# Allegro board trx_layout.brd (continued)
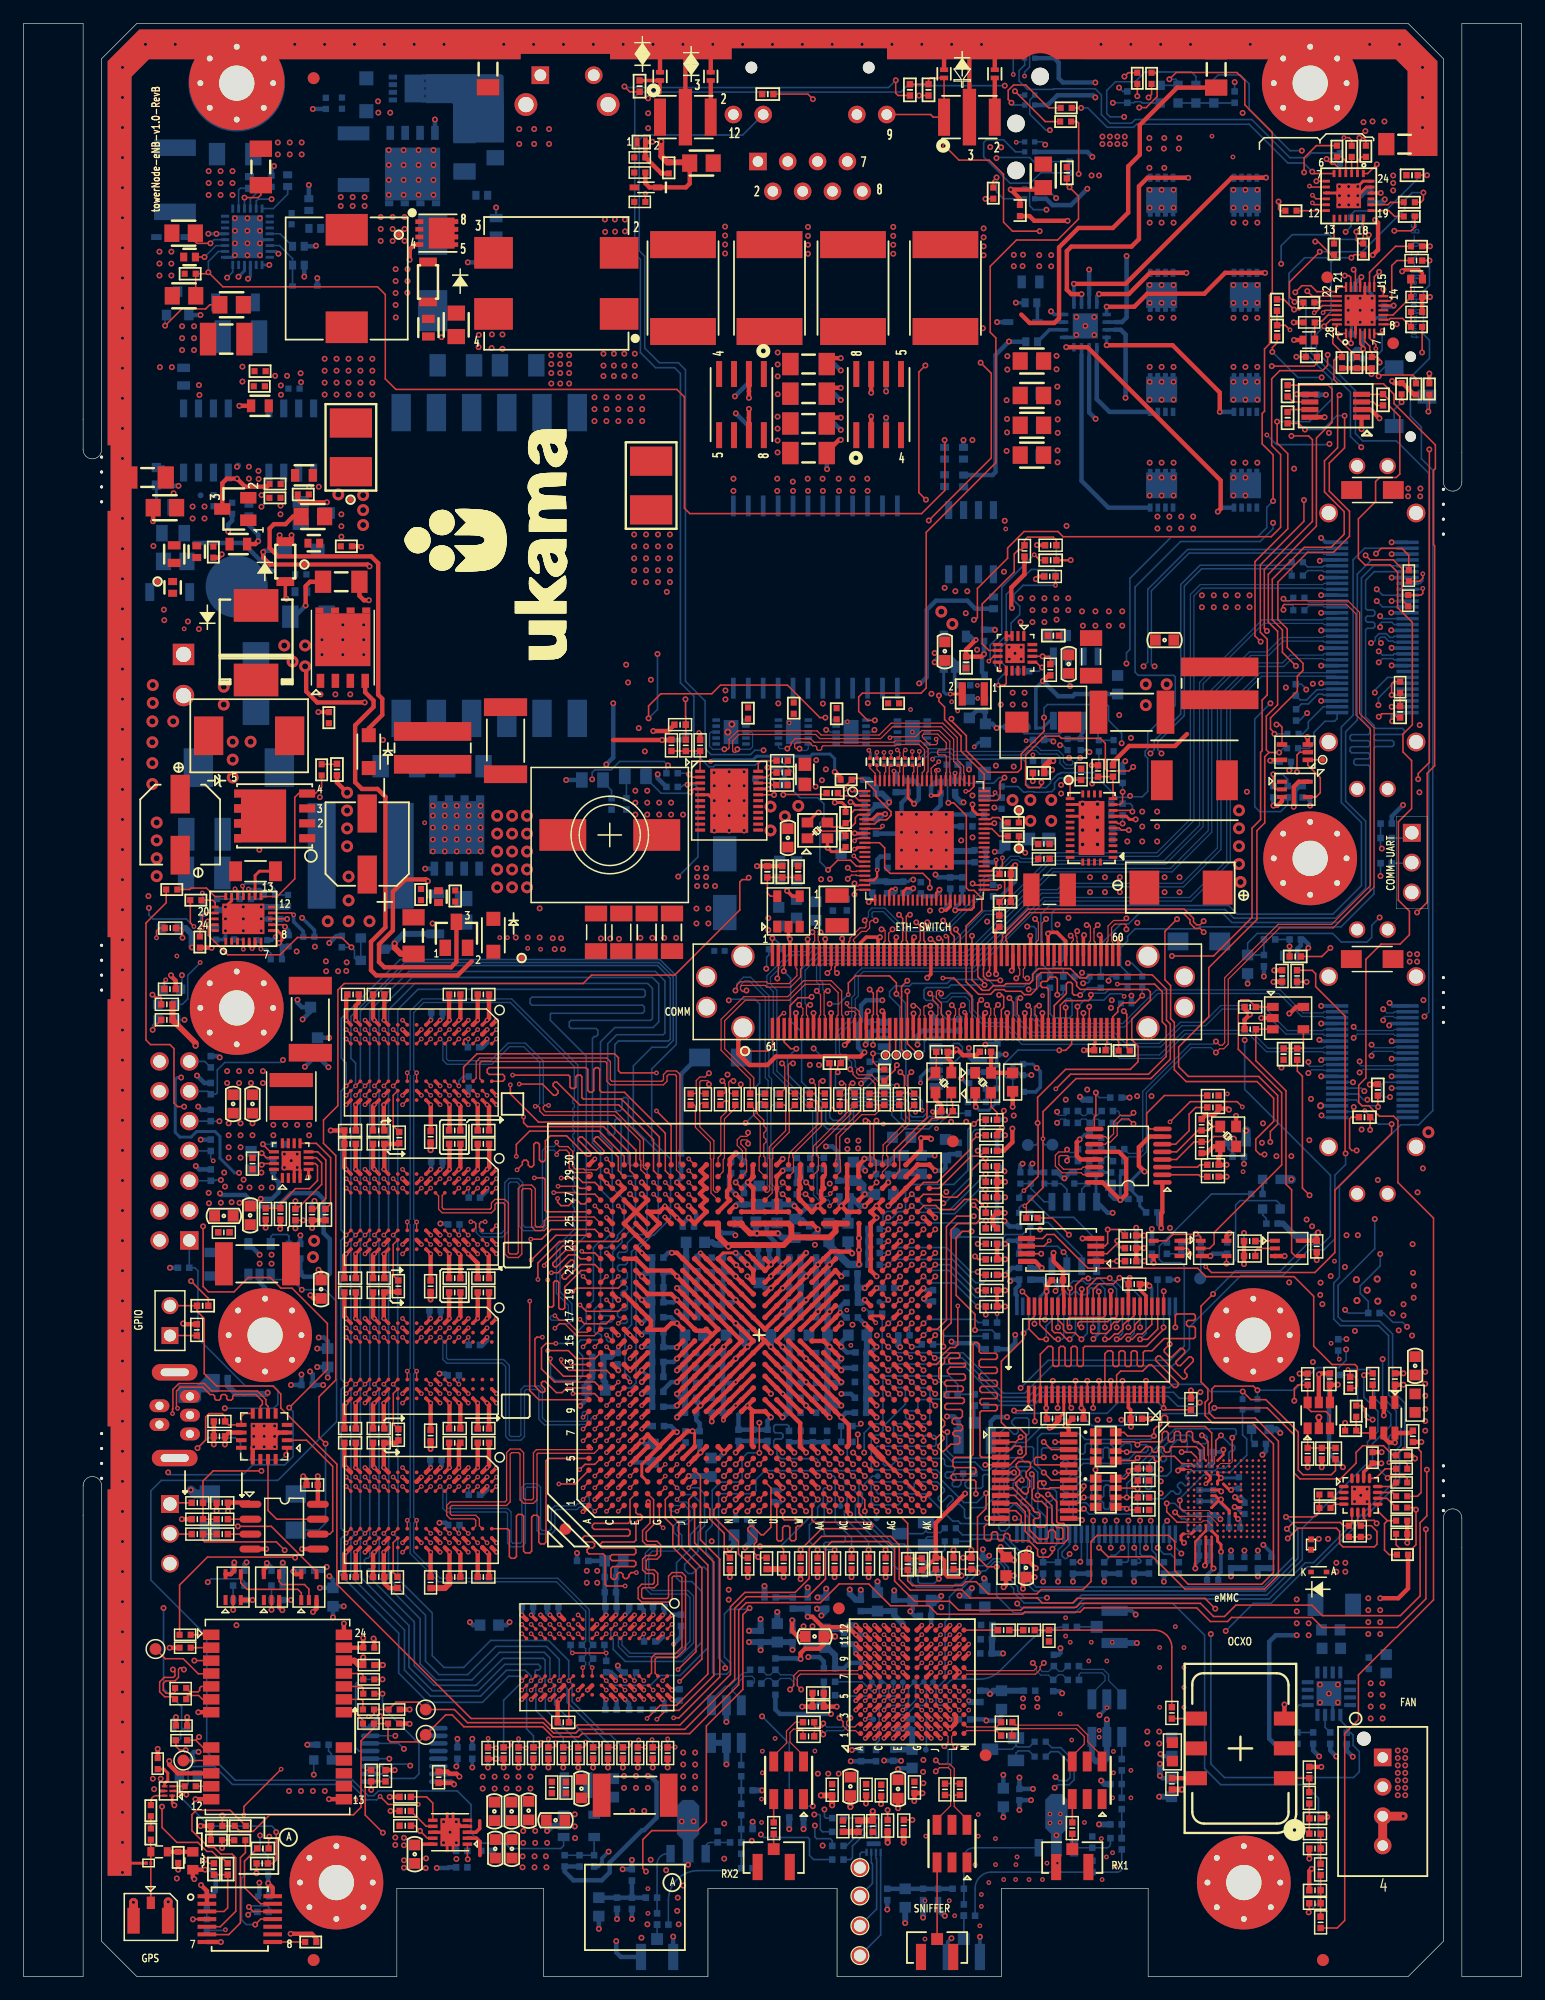
[diagram p0: board, top side]
## Routing (per net, layer and track width the routed paths; a pad name or vN(x,y) marks a point on that pad's centre or on a via; arc(x,y) is an arc through that point) (continued)
  BOTTOM w0.305: C332.1 53.38,52.33 v1(52.67,51.61) 53.22,51.06 C339.1 ; v1(52.67,53.61) 52.69,53.6 C324.1
  BOTTOM w0.381: C410.1 41.15,29.92 v1(41.4,30.18) ; R407.1 50.6,51.68 v1(50.67,51.61) ; C241.1 v1(26.04,79.93) ; v1(57.67,44.61) 57.6,44.68 C365.1 ; v1(52.67,45.61) 52.94,45.34 C367.1 ; v1(26.05,34.09) 26.06,34.09 26.37,33.78 C394.1 v1(25.25,33.1) ; C358.1 55.15,46.87 v1(55.66,46.36) ; C366.1 56.4,45.34 v2(55.67,44.61) ; v2(51.24,30.78) 51.6,31.14 C403.1 ; C408.1 55.27,30.81 v2(55.24,30.78) ; v2(52.67,54.61) 52.92,54.87 C318.1 ; C406.1 43.41,30.95 v2(43.24,30.78) ; v1(55.67,67.61) 56.02,67.97 C251.1 ; C316.1 53.19,56.14 v2(52.67,55.61) ; C299.1 53.55,58.73 v1(52.67,59.61) ; v2(53.64,30.78) 53.63,30.8 C402.1 ; C269.1 57.12,64.17 57.3,64.35 57.3,64.88 57.26,64.95 57.22,65.04 57.22,65.06 v1(56.67,65.61) ; C423.2 50.05,25.91 50.44,25.52 v2(50.44,25.19) ; C405.1 44.61,31.02 v2(44.84,30.78) ; C433.1 49.57,23.51 v2(49.64,23.58) ; v2(52.68,61.6) 52.68,61.6 53.07,61.22 ; v1(25.15,54.41) 25.61,54.41 25.92,54.1 C331.1 25.02,53.47 v1(25.02,53.47) ; C428.1 55.32,24.46 v2(55.24,24.38) ; R424.1 v1(47.15,36.06)
  BOTTOM w0.508: C371.1 58.53,42.61 v1(56.67,42.61) ; C309.1 53.35,57.61 v1(52.67,57.61) ; C309.1 C291.1 ; C309.1 C316.1 C318.1 C324.1 C339.1 C346.1 ; C346.1 52.84,49.79 v1(52.67,49.61) ; C346.1 C352.1 ; C291.1 53,59.95 v1(52.67,59.61) ; C291.1 C283.1 53.07,61.22
  vias: v1(25.76,86.44) v1(25.78,85.59) v1(26.8,85.59) v1(27.5,85.62) v1(27.53,86.35) v1(42.52,10.23) v1(42.51,9.3) v1(43.54,10.23) v1(43.53,9.3) v1(44.5,10.23) v1(44.55,9.3)
1V35_PG: length 48
  TOP w0.137: U14.14 20.68,69.72 v1(20.29,70.1)
  L3-SIGNAL w0.127: v1(20.29,70.1) 21.93,68.47 21.93,65.77 16.06,59.9 16.06,53.17 18.59,50.63 18.59,42.24 16.94,40.59 16.94,39.24 15.7,38 v1(15.7,33.58)
  BOTTOM w0.137: v1(15.7,33.58) 15.98,33.86 18.57,33.86 18.82,33.61 R436.1 ; v1(20.29,70.1) 20.83,69.57 R340.2
3V3: length 383.8
  TOP w0.203: U21.12 v1(116.72,142.27) ; U21.4 113.86,139.02 114.12,138.76 v1(114.12,138.59) ; v1(113.97,144.7) 113.86,144.6 U21.18
  TOP w0.254: U22.7 88.62,47.98 C113.1
  TOP w0.305: C103.1 88.55,58.44 88.62,58.37 U22.42 ; R152.1 82.93,58.42 R153.1 v1(83.62,57.05) ; U5.5 106.26,103.6 v1(106.2,103.53) ; C128.1 114.16,42.95 U28.14 ; v1(65.05,92.44) 65.5,91.99 U83.4 ; v1(94.24,59.49) 94.14,59.39 C104.1 94.12,58.94 U22.31 ; R724.1 76.68,34.63 R199.1 78.25,35.65 78.45,35.45 78.45,34.29 78.73,34.02 79.79,34.02 v1(79.91,34.13) ; U22.18 94.12,48.44 94.32,48.24 C115.1 ; U42.10 34.1,11.27
  TOP w0.381: v1(106.48,84.68) 107.19,84.68 C57.1 ; R199.1 77.7,38.61 v1(80.22,41.12) ; v1(110.29,63.35) 110.21,63.35 110.2,63.33 110.2,63.22 110.16,63.18 C98.1 U17.5 ; U1.AD25 v1(71.17,62.87) v1(71.17,61.86) 71.17,61.86 v1(71.17,60.63) ; U44.5 v1(108.45,134.72) ; U1.AG23 v1(74.67,62.61) ; R637.2 24.94,3.25 24.55,3.64 v1(22.76,3.64) ; v1(114.93,146.57) 115.39,147.02 115.39,149.32 v1(115.14,149.57) ; R625.1 15.96,12.79 R626.1 v1(15.08,12.82) ; v1(83.62,58.42) R152.1 ; v1(119.81,143) R43.1 R46.1 ; U16.5 102.48,63.06 v1(102.72,63.3) ; R113.2 104.02,81.46 v1(104.47,81.92) 104.02,82.37 R110.2 ; v1(12.45,27.99) 12.46,27.99 12.47,28 R204.1 ; v1(32.9,21.51) 32.87,21.54 R213.1 ; v1(86.84,110.3) 87.32,110.78 R64.1 ; R140.1 95.44,63.09 v1(95.45,63.09) ; U1.AE5 v1(72.67,43.61) ; U87.14 21.23,7.56 v1(20.84,7.94) ; U44.2 114.76,133.42 v1(115.51,132.67) ; C148.2 v1(13.94,22.08) ; U1.AE18 v1(71.67,57.61) ; C153.1 36.55,16.49 v1(36.68,16.36) ; U1.AH13 v1(75.67,51.61) ; U13.12 93.31,70.22 93.93,69.6 93.93,66.61 v1(93.43,66.11) 91.93,67.62 U13.16 ; v1(84.24,72.2) 84.24,71.04 83.51,70.31 R127.1 ; U10.5 108.41,82.55 107.85,81.99 v1(107.83,81.99) ; C113.1 88.14,47.29 87.57,46.73 v1(87.4,46.73) ; v1(76.7,57.7) 77.11,58.11 U1.AK19 ; R230.1 v1(31.62,17.57) ; R148.1 94.79,62.01 R145.1 v1(95.46,62.02) ; U1.AE15 v1(72.67,53.61) ; v1(17.43,39.62) 17.43,40.32 C130.2 17.44,40.36 19.18,40.36 U31.1 ; v4(110.35,47.61) 110.35,47.45 110.34,47.44 U24.2 ; U1.AK26 v1(77.67,64.61) ; U18.5 v1(96.27,60.76) ; R141.2 R146.2 v1(103.97,60.66) ; R131.1 R133.1 ; R131.1 R129.1 ; R131.1 v1(83.62,67.67) ; v1(87.75,61.62) 87.75,60.9 88.55,60.09 C103.1 ; v1(20.73,35.2) 20.73,34.93 20.48,34.68 U33.5 ; v1(84.26,74.05) L9.2 ; v1(15.47,9.09) FB1.2 14.43,8.42 v1(14.56,8.29) ; v1(117.88,36.93) R182.1 R181.2 ; R16.2 56.75,152.66 56.43,152.34 D6.K 53.33,152.34 52.98,152.69 R18.1 ; v1(118.54,44.11) 118.53,44.11 118.5,44.11 118.24,44.37 R167.1 ; U32.5 17.65,34.26 17.96,34.56 v1(17.96,35.26) ; v1(28.94,28.84) C142.2 U37.23 ; U1.AE16 71.74,55.54 v1(71.67,55.54) ; R702.2 84.1,92.53 84.1,92.53 84.1,93.87 R700.2 84.1,94.3 84.42,94.62 v1(84.49,94.62) ; C115.1 94.32,47.24 94.36,47.19 94.36,46.81 v1(94.34,46.81) ; R161.2 v1(108.7,51.33) ; R165.1 v1(110.59,43.36) ; R139.1 82.57,64.07 82.57,64.11 82.56,64.12 82.57,64.13 82.57,64.6 82.56,64.61 82.56,64.61 82.56,64.66 R134.1 v1(83.59,65.02) ; v1(22.99,34.49) 23.22,34.26 U34.5 ; v1(13.59,55.6) 13.65,55.54 R154.2 ; C128.1 v1(115.67,43.7) ; R210.1 v1(32.9,22.73) ; U1.AE11 v1(72.67,49.61) ; U1.AH8 v1(75.67,46.61) ; R621.2 v1(119.76,136.48) ; v1(83.36,72.26) 82.93,71.83 R125.1 ; U37.7 v1(14.89,22.5) ; R45.1 v1(108.2,140.84) ; R179.1 v1(13.49,38.94) ; v1(108.2,99.59) 108.2,101.3 108.64,101.73 U6.5 ; R107.2 12.96,84.79 12.58,85.17 12.58,85.26 v1(12.56,85.26) ; U1.AJ3 v1(76.67,41.61) ; U1.AE20 v1(71.67,58.61) ; C9.1 84.89,151.36 v1(84.09,152.15) 86.71,152.15 R19.2 ; v1(114.83,136.44) 114.86,136.47 R695.1 R696.1 R687.1 ; U44.1 v1(113.98,131.75) ; U1.AE13 v1(72.67,51.61) ; U1.AG17 v1(74.67,56.61) ; R142.1 82.93,61.06 R147.1 v1(83.62,61.06) ; v1(86.74,60.33) 86.18,60.89 U19.8 ; v1(69.1,102.57) 69.14,102.57 69.6,102.1 R693.1 ; U1.AE9 v1(72.67,47.61) ; v1(16.02,87.58) 16,87.6 R652.1 ; U1.AE7 v1(72.67,45.61)
  TOP w0.508: R109.2 R111.2 12.93,81.23 12.93,81.21 14.66,79.48 v1(14.66,79.25) ; R16.2 56.68,154.48 C8.1 54.84,154.48 54.33,154.99 v1(54.33,156.25)
  L3-SIGNAL w0.381: v1(88.85,123.51) 90.64,123.51 91.61,122.54
  L4-PWR1 w0.254: 74.32,78.69 73.35,77.72
  L6-SIGNAL w0.381: v1(54.33,156.25) 62.08,148.49 62.08,144.88 65.48,141.48 81.21,141.48 83.41,143.68 83.41,151.47 v1(84.09,152.15) 85.15,152.15 85.9,151.41 85.9,126.47 v1(88.85,123.51) ; v1(116.68,153.35) v1(116.68,152.71)
  BOTTOM w0.254: v1(90.8,104.26) 90.64,104.42 R692.1 ; v1(87.75,61.62) 87.61,61.48 U62.8 ; C93.2 93.61,68.41 93.43,68.22 93.43,66.18 ; v2(58.53,103.46) 58.57,103.46 58.71,103.59 62.15,103.59 62.46,103.9 67.03,103.9 67.21,104.08 68.71,104.08 69.1,103.69 v1(69.1,102.57) ; C295.1 88.08,58.54 v1(87.91,58.37) ; v1(91.14,54.28) 91.6,54.74 91.6,56.11 91.62,56.14 U64.43 ; C652.2 86.82,106.31 87.43,106.92 U250.8 ; 84.62,57.98 U64.29
  BOTTOM w0.305: v1(23.73,90.14) 24.79,89.09 R647.2 ; C652.2 86.24,109.7 v1(86.84,110.3) ; R706.2 83.25,91.98 84.49,93.22 v1(84.49,94.62) ; R153.1 v1(83.62,57.05) ; R390.2 v1(98.3,59.33)
  BOTTOM w0.381: v1(96.27,60.76) 96.13,60.91 C277.1 ; C304.1 76.92,57.48 v1(76.7,57.7) ; C206.1 106.3,103.43 v1(106.2,103.53) ; R725.1 77.31,34.24 77.59,34.52 79.53,34.52 79.91,34.14 v1(79.91,34.13) ; U68.16 36.44,16.6 v1(36.68,16.36) ; C203.1 89.57,109.2 89.38,109.01 88.14,109.01 86.85,110.3 v1(86.84,110.3) ; C181.1 109.18,134.72 v1(108.45,134.72) ; R348.1 89.19,68.47 v1(88.67,67.96) 88.6,68.03 88.5,68.03 88.07,68.46 R349.1 ; R704.2 87.36,102.48 v1(87.62,102.74) ; R330.2 v1(83.62,72.95) ; C325.1 83.95,53.42 84.48,53.95 v1(84.48,54.64) ; C326.1 72.2,53.14 v1(72.67,53.61) ; R346.1 14.98,68.72 v1(14.68,69.01) ; v1(20.73,35.2) 21.13,34.81 C388.1 ; R434.2 v1(86.86,33.62) ; R352.1 84.92,69.09 85.03,69.21 v1(85.11,69.21) ; v1(15.47,9.09) 16,9.09 16.38,8.71 16.38,7.26 16,6.88 R624.2 ; C193.1 116.65,142.2 v1(116.72,142.27) ; C86.1 93.54,66.21 93.44,66.11 v1(93.43,66.11) 93.33,66.22 92.92,66.22 92.59,66.54 C260.1 ; v1(54.03,102.36) 54.03,102.03 R292.1 ; v1(17.96,35.26) 17.86,35.16 C389.1 ; v1(15.1,71.25) 15.1,71.26 R335.1 ; v1(108.2,99.59) 108.2,99.67 108.33,99.8 108.33,100.98 108.71,101.36 108.97,101.36 C210.1 ; v1(71.73,79.35) 71.8,79.41 71.8,79.56 71.85,79.62 71.85,79.87 72.04,80.05 72.04,80.25 R316.1 72.22,80.54 U58.7 ; v1(20.12,61.46) 19.2,62.38 U63.4 ; v1(83.57,64.31) 84.02,63.86 R367.1 ; v1(97.15,33.62) R427.2 R426.2 ; C286.1 v1(86.74,60.33) ; v1(106.48,84.68) 106.52,84.73 U57.5 ; C353.1 72.27,48.01 v1(72.67,47.61) ; C196.1 114.07,138.65 v1(114.12,138.59) 114.1,138.57 113.52,138.57 113.12,138.18 R707.1 ; C317.1 71.1,56.11 v1(71.67,55.54) 71.84,55.37 C320.1 ; v1(83.62,58.42) R392.1 ; R329.1 15.15,73.8 v1(14.88,74.07) ; R425.2 92.07,34.31 R430.2 v1(92.07,33.62) ; R620.2 v1(20.84,7.94) 20.84,6.91 C606.2 ; C195.1 113.43,144.17 v1(113.97,144.7) ; 84.62,57.98 84.52,58.08 84.52,58.56 84.82,58.85 C294.1 84.18,59.33 v1(84.05,59.21) ; C275.1 102.54,63.12 v1(102.72,63.3) ; v1(89.4,33.62) R432.2 R431.2 ; U59.7 72.33,77.16 R319.1 72.09,76.77 v1(71.35,76.03) ; R340.1 21.29,68.07 21.73,67.63 21.73,66.78 21.17,66.22 v1(20.22,66.22) ; R428.2 R429.2 v1(94.61,33.62) ; v1(22.99,34.49) 23.04,34.54 C390.1 ; 93.43,66.17 93.43,66.18 ; R325.1 15.41,76.08 v1(14.78,76.71) ; L21.2 v1(77.62,69.9) ; R303.1 v1(105.67,85.15)
  BOTTOM w0.508: L22.2 70.98,69.34 v1(71.7,68.62) ; C333.1 72.46,51.82 v1(72.67,51.61) ; C333.1 C340.1 C347.1 ; C333.1 71.79,53.09 C326.1 C320.1 ; R369.1 R373.1 R381.1 R386.1 ; v1(71.67,57.61) 71.44,57.38 C310.1 71.07,58.61 C302.1 ; C302.1 71.63,58.65 v1(71.67,58.61) ; C302.1 71.04,59.86 C292.1 ; C347.1 71.95,49.44 72.12,49.61 v1(72.67,49.61) ; C347.1 C353.1 ; v1(93.43,66.11) 93.43,66.17 ; R397.1 74.52,53.75 v1(74.68,53.59) ; v1(115.96,151.31) 115.64,150.99 C607.2 ; v1(110.29,63.35) 109.96,63.02 108.38,63.02 107.29,64.11 R101.2
  BOTTOM w0.635: L25.2 68.61,62.3 70.28,60.63 v1(71.17,60.63)
  vias: v1(18.14,29.91) v1(20.12,60.7) v1(21.13,61.46) v1(21.13,60.7) v1(22.62,15.79) v1(23.64,15.79) v1(24.65,15.79) v1(25.67,15.79) v1(31.67,11.84) v1(31.67,11.2) v1(32.41,11.81) v1(32.41,11.18) v1(46.96,13.81) v1(46.96,12.78) v1(46.99,11.79) v1(63.45,90.12) v1(63.45,89.1) v1(70.18,71.17) v1(70.18,70.46) v1(71.1,70.51) v1(71.12,71.17) v1(88.39,101.46) v1(88.39,100.72) v1(93.34,107.41) v1(107.54,109.75) v1(111.84,35.23) v1(111.84,34.47) v1(112.6,35.23) v1(112.6,34.47) v1(116.68,152.08) v1(119.41,51.49) v1(119.41,50.47) v1(119.41,49.45) v3(78.19,116.21) v3(79.13,115.17) v3(95.6,110.03) v3(95.6,108.25) v3(97.38,110.03)
3V3_PG: length 39.7
  TOP w0.137: U4.14 v1(86.81,112.41) 87.39,112.41 87.47,112.32 R64.2
  L3-SIGNAL w0.127: v1(86.81,112.41) 87.88,112.41 88.29,112.01 88.29,109.6 91.77,106.12 103.4,106.12 105.69,108.41 v1(106.22,108.41)
  BOTTOM w0.137: R293.1 107.7,99.8 107.09,99.19 105.3,99.19 104.89,99.6 104.89,107.07 v1(106.22,108.41)
5V: length 61.6
  TOP w0.254: v1(63.44,101.12) 63.44,101.12 U7.19
  TOP w0.381: C114.1 88.76,46.92 v1(88.76,46.92) 89.04,46.64 U27.24
  L6-SIGNAL w0.381: v1(22.78,32.06) 24.46,33.74 24.46,49.3 v1(25.53,50.37)
  BOTTOM w0.254: v1(13.43,76.55) 13.1,76.55 12.93,76.38 12.93,71.87 13.33,71.47 14.27,71.47 14.75,71.95 16.32,71.95 16.74,71.53 16.74,69.68 17.99,68.43 v1(18.36,68.43) ; R95.2 v1(103.96,69.19)
  BOTTOM w0.381: v1(91.05,154.93) 90.63,155.36 LED11.9 ; v1(25.53,50.37) R411.2 24.64,50.37 24.64,51.28 v1(24.41,51.51) ; v1(90.62,152.22) 89.23,150.83 87.66,150.83 87.11,151.37 LED11.13 ; v1(91.31,159.99) 91.1,160.2 91.08,160.18 88.07,160.18 87.25,159.35 LED11.5 ; LED11.1 87.8,163.34 88.18,162.96 88.18,161.63 88.55,161.26 v1(91.31,161.26) ; R437.1 v1(22.78,32.06)
  vias: v1(17.09,68.45) v1(17.17,67.26) v1(18.47,67.21) v1(18.75,67.84) v1(19.25,67.18) v1(20.27,68.45) v1(20.27,67.18) v1(21.16,67.18) v1(52.93,104.31) v1(53.44,110.42) v1(84.93,117.35) v1(84.93,115.32) v1(85.95,117.35) v1(85.95,116.34) v1(85.95,115.32) v1(86.97,117.35) v1(86.97,116.34) v1(86.97,115.32) v1(87.98,117.35) v1(87.98,116.34) v1(88,115.53) v1(89,117.35) v1(89,116.34) v1(90.99,153.35) v1(91.62,153.35) v1(91.91,156.66) v1(91.91,156.03) v1(92.55,156.66) v1(92.55,156.03) v1(93.18,156.66) v1(93.18,156.03) v1(93.82,156.66) v1(93.82,156.03) v1(100.38,117.6) v1(100.38,116.59) v1(101.4,117.6) v1(101.4,116.59) v1(102.41,117.6) v1(102.41,116.59) v1(103.43,117.6) v1(103.43,116.59) v1(104.44,117.6) v1(104.44,116.59) v3(63.64,99.62) v3(63.64,97.58) v3(64.86,98.78) v3(66,99.67)
5V_PG: length 2.7
  TOP w0.137: R76.2 TP2.1 89.16,101.75 U8.16
12V_ALRT: length 202.8
  TOP w0.137: v1(76.88,125.74) 76.27,126.35 76.27,136.62 v1(76.83,137.17) ; v2(115.2,138.6) 115.2,138.96 114.66,139.5 U21.6 ; v1(78.51,155.84) 79.69,154.66 82.27,154.66 83.48,153.44 83.48,149.37 84.25,148.61 v1(86.56,148.61)
  L3-SIGNAL w0.127: v1(76.83,137.17) 78.51,138.85 v1(78.51,155.84) ; v1(10.64,92) 14.97,92 v2(15.23,92.25)
  L6-SIGNAL w0.127: v1(76.88,125.74) 76.64,125.51 57.88,125.51 56.76,124.39 56.76,110.49 54.98,108.71 52.33,108.71 48.41,104.8 36.45,104.8 33.41,101.76 33.41,96.33 35.36,94.37 35.36,93.17 34.93,92.74 32.31,92.74 28.07,96.98 19.88,96.98 18.32,95.42 14.8,95.42 11.38,92 v1(10.64,92) ; v1(86.56,148.61) 88.88,150.92 88.88,151.76 88.65,151.99 88.65,154.89 90.98,157.22 101.62,157.22 104.65,154.19 104.65,150.42 109.17,145.9 113.77,145.9 113.95,145.72 113.95,145.31 112.4,143.77 112.4,138.83 112.68,138.56 113.39,138.56 113.91,139.08 114.73,139.08 v2(115.2,138.6)
  BOTTOM w0.137: v2(15.23,92.25) 15.27,92.22 R653.1
AVDD_1V5: length 18
  TOP w0.203: v2(74.28,92.61) 73.92,92.61 73.75,92.44 U243.26 ; v2(79.36,102.46) 79.35,102.45 U243.71 ; v1(78.03,92.53) 78.01,92.53 77.75,92.27 U243.36 ; U243.20 72.42,93.33 72.72,93.64 72.72,94.22 v2(72.72,94.22) ; U243.4 70.85,99.73 70.58,100 v1(70.45,100)
  TOP w0.254: v1(75.87,99.85) 75.35,100.37 U243.81
  BOTTOM w0.203: 79.34,102.44 v2(79.36,102.46)
  BOTTOM w0.254: C619.1 70.86,99.72 70.58,100 v1(70.45,100)
  BOTTOM w0.381: C633.1 79.34,101.83 79.34,102.44 ; v2(74.28,92.61) 74.28,92.37 74.15,92.23 C621.1 ; v1(78.03,92.53) 78.03,92.36 77.66,91.99 76.67,91.99 C623.1 ; v1(75.87,99.85) 76.26,100.25 76.26,101.43 75.88,101.81 C622.1 ; v2(72.72,94.22) 72.74,94.24 72.74,95.1 72.99,95.36 C618.1
  vias: v1(67.47,101.31) v1(68.01,101.86)
AVDD_3V3: length 20.1
  TOP w0.203: U243.59 82.64,98.13 v1(82.71,98.2) ; v2(74.15,102.64) 74.15,102.63 U243.84 ; v2(82.86,95.07) 82.86,94.52 82.47,94.13 U243.49
  TOP w0.254: v2(70.78,95.99) 70.91,95.99 71.06,96.13 U243.13 ; U243.7 72.31,98.53 72.76,98.98 v1(73.4,98.98) ; v1(78.2,90.79) 78.61,90.79 78.75,90.92 78.76,90.92 78.91,91.07 78.91,91.08 78.95,91.13 U243.39 ; U243.74 78.15,100.8 77.9,100.55 v2(77.31,100.55) ; v1(75.8,92.65) 75.22,92.65 74.95,92.38 U243.29
  BOTTOM w0.254: C644.1 72.97,98.55 v1(73.4,98.98)
  BOTTOM w0.305: C643.1 78.94,91.41 78.32,90.79 v1(78.2,90.79)
  BOTTOM w0.381: C642.1 74.3,102.48 v2(74.15,102.64) ; C641.1 81.97,94.88 C625.1 82.66,94.88 v2(82.86,95.07) ; v1(75.8,92.65) 75.41,92.26 C626.1 ; C627.1 77.69,101.71 77.31,101.33 v2(77.31,100.55)
  vias: v1(80.85,96.99)
GND: length 1247.6
  TOP w0.102: 98.87,37.69 99.47,37.69
  TOP w0.203: C169.2 110.93,13.46 v1(111.06,13.59) ; U29.A6 102.21,44.43 v1(102.21,44.86) ; C27.2 89.2,120.59 v1(89.21,120.6)
  TOP w0.254: v1(58.84,100.12) 58.34,100.62 U7.5 ; J4.39 82.8,89.05 R701.1 ; U21.17 114.26,142.27 v1(113.86,141.87) 113.46,141.47 U21.3 ; v4(90.22,99.82) 90.19,99.79 U8.17 ; v1(103.21,40.82) 103.59,40.43 U29.H10 ; v2(74.68,42.63) 74.2,43.11 U1.AG4 U1.AF5 ; v1(67.74,99.11) 67.63,99.11 Y4.4 ; v1(102.01,40.61) 101.86,40.61 101.54,40.93 U29.G5 ; v1(102.01,40.61) 101.9,40.61 U29.J5 ; v1(102.01,40.61) 102.01,40.39 102.72,39.68 U29.K8 ; U29.C4 100.73,42.93 101.09,42.57 101.09,42.33 v2(100.72,41.96) ; U14.3 23.06,68.63 v1(23.32,68.88) 23.56,68.64 U14.4 ; U8.19 90.14,98.79 v4(90.22,98.7) ; Y4.2 68.48,96.21 68.5,96.19 v1(68.5,96.1) 68.83,95.78 69.63,95.78 C617.2 ; U35.B3 v2(54.44,29.18) ; 98.87,37.69 98.78,37.69 98.61,37.51 98.61,37.19 v1(98.86,36.93) ; v2(72.6,55.67) 72.6,55.69 72.17,56.11 ; U246.5 19.23,87.77 v2(19.48,87.52) 19.73,87.77 U246.6 ; U41.5 11.66,15.8 ; v1(91,103.13) 91,103.13 R74.1 ; v1(113.66,151.63) 114.39,152.36 U242.23 ; v1(113.66,152.41) 114.11,152.86 U242.24 ; v1(114.46,40.44) 114.66,40.23 U28.8 ; v1(69.11,99.96) 69.72,99.96 70.03,99.65 C616.2 ; U1.U27 64.16,66.12 64.16,66.82 64.17,66.83 U1.U28 64.17,67.39 64.16,67.4 64.16,67.82 64.17,67.83 U1.U29 ; C113.2 87.12,47.55 v1(87.12,48.41) ; 99.47,37.69 U29.N2 ; U1.AH3 U1.AJ2 76.2,41.11 v1(76.67,40.64) 77.15,41.11 U1.AK2 ; U1.P21 61.16,60.11 60.72,60.55 v1(60.72,60.58) ; v1(56.99,46.43) 57.17,46.26 U1.K6 ; U22.39 90.12,57.99 90.15,58.01 v1(90.15,58.52) ; U22.45 87.12,58.29 v1(87.15,58.32) ; U246.18 17.73,91.6 v1(17.21,91.07) ; 72.17,56.11 72.31,56.25 73.04,56.25 U1.AF17 ; 72.17,56.11 U1.AE17 ; v2(80.17,82.1) 80.3,81.97 J4.94 ; U4.3 U4.4 ; U1.AA30 68.33,68.96 68.33,68.27 U1.AA29 ; U14.5 v1(24.28,68.07) ; U246.8 21.63,89.06 22.01,88.68 22.01,88.25 v1(21.77,88) ; v1(102.01,36.17) 102.01,36.77 101.72,37.06 U29.P6 101.72,37.45 101.24,37.93 U29.N5 ; U41.1 12.67,14.76 v1(12.86,14.58) ; U242.9 111.87,151.86 v1(112.1,151.63) ; U1.B29 49.17,68.07 v2(49.69,67.56) 49.69,67.55 50.13,67.11 U1.C28 ; v1(100.64,35) 100.72,35.08 U29.P4 ; U29.E7 102.72,41.43 v1(102.87,41.43) ; U242.22 v1(115.62,151.86)
  TOP w0.305: J4.85 75.8,81.98 v1(75.81,82) ; v2(30.69,56.03) 31.09,55.63 U23.M1 ; v2(39.49,61.53) U15.B9 ; R62.1 86.35,121.87 v1(86.33,121.88) ; v1(22.4,117.31) 22.3,117.41 D9.2 ; U15.J2 v2(33.89,67.93) ; U23.D1 37.49,55.63 v2(37.89,56.03) ; U11.D8 v2(37.89,75.03) ; v1(117.44,145.18) 117.57,145.31 118.86,145.31 119.17,145.01 R39.2 ; v1(36.87,13.17) 37.25,12.79 U42.4 ; v2(30.69,81.43) 31.09,81.03 U11.M1 ; J4.4 v1(65.3,88.33) 65.17,88.46 U83.2 ; v1(69.74,88.38) 69.8,88.31 J4.13 ; J4.74 70.3,79.66 v1(69.96,79.32) ; v2(39.49,48.83) U23.B9 ; J4.51 88.79,88.15 88.04,88.9 87.38,88.9 v1(87.27,88.8) 87.29,88.79 J4.48 ; U22.21 v1(95.62,50.72) ; U22.28 95.62,57.96 95.1,58.48 C104.2 ; v1(81.93,82.05) 81.91,82.05 81.8,81.95 J4.97 ; J4.68 v1(67.3,82.03) ; J4.10 v1(68.3,88.33) ; v2(30.69,36.13) U30.M9 ; U42.8 v1(36.34,12.29) ; J4.60 93.29,88.2 v1(93.44,88.35) ; U11.B3 39.09,79.43 v2(39.49,79.83) ; U15.P9 v2(29.09,61.53) ; v1(74.35,88.48) 74.35,88.45 74.3,88.39 J4.22 ; U11.J8 v2(33.89,75.03) ; U11.G8 v2(35.49,75.03) ; v1(76.99,85.04) 76.99,85.04 77.3,85.35 J4.28 ; U30.E8 v2(37.09,36.93) ; U15.M1 31.09,68.33 v2(30.69,68.73) ; U15.B1 v2(39.49,68.73) ; v2(35.49,74.23) U11.G9 ; v2(27.49,56.03) 27.89,55.63 U23.T1 ; U15.P1 29.49,68.33 v2(29.09,68.73) ; v2(39.49,54.43) U23.B3 ; v2(27.49,81.43) 27.89,81.03 U11.T1 ; U15.M9 v2(30.69,61.53) ; v2(39.49,56.03) U23.B1 ; J4.71 v1(68.8,82.03) ; J4.104 v1(85.3,82.03) ; v2(40.29,74.23) U11.A9 ; U15.E2 v2(37.09,67.93) ; U23.E1 36.69,55.63 v2(37.09,56.03) ; v2(30.69,48.83) U23.M9 ; U11.M9 v2(30.69,74.23) ; v2(35.49,68.73) 35.09,68.33 U15.G1 ; J4.45 85.79,88.6 85.76,88.6 v1(85.76,88.61) ; v2(29.09,81.43) 29.49,81.03 U11.P1 ; U30.J8 v2(33.89,36.93) ; v1(66.8,88.32) 66.8,88.04 66.8,88.04 J4.7 ; J4.57 91.79,88.56 v1(91.67,88.67) ; v2(36.29,74.23) U11.F9 ; U22.4 v1(87.12,48.41) ; U23.P9 v2(29.09,48.83) ; U11.J2 v2(33.89,80.63) ; U23.D8 v2(37.89,49.63) ; U11.B1 v2(39.49,81.43) ; v2(27.49,48.83) U23.T9 ; U23.P1 29.49,55.63 v2(29.09,56.03) ; U23.E8 v2(37.09,49.63) ; U15.B3 v2(39.49,67.13) ; U23.G8 v2(35.49,49.63) ; U15.T1 27.89,68.33 v2(27.49,68.73) ; v1(77.29,82.02) 77.3,82.02 J4.88 ; J4.25 75.77,87 75.77,88.29 75.92,88.44 75.92,88.48 75.9,88.48 75.87,88.52 v1(75.87,88.48) ; C648.2 v1(25.12,107.66) ; U15.E1 36.69,68.33 v2(37.09,68.73) ; J4.101 v1(83.8,82.03) ; v1(84.18,85.65) 84.29,85.76 J4.42 ; U22.15 v1(92.62,50.72) ; v2(40.29,61.53) U15.A9 ; v1(73.15,82.19) 73.3,82.05 J4.80 ; v2(37.89,68.73) U15.D1 ; U11.E1 36.69,81.03 v2(37.09,81.43) ; v2(27.49,74.23) U11.T9 ; v1(90.35,88.67) 90.29,88.61 J4.54 ; v1(82.85,85.34) 82.81,85.34 82.8,85.35 J4.39 ; U23.E2 v2(37.09,55.23) ; U11.D1 37.49,81.03 v2(37.89,81.43) ; U22.34 v1(92.62,58.37) ; U11.E8 v2(37.09,75.03) ; v1(86.24,118.98) 86.46,119.2 C30.1 ; U11.E2 v2(37.09,80.63) ; U11.P9 v2(29.09,74.23) ; v2(27.49,61.53) U15.T9 ; U11.G1 35.09,81.03 v2(35.49,81.43) ; U23.A9 v2(40.29,48.83) ; J4.65 v1(65.8,82.03) ; U23.J2 v2(33.89,55.23) ; v1(71.94,82.19) 71.8,82.06 J4.77 ; U1.N30 U1.N29 60.17,67.87 60.14,67.83 60.14,67.39 60.17,67.36 U1.N28 ; v2(35.49,56.03) 35.09,55.63 U23.G1 ; v2(35.49,61.53) U15.G9 ; v2(36.29,48.83) U23.F9 ; U35.M9 v2(45.64,23.58) ; v2(36.29,61.53) U15.F9 ; J4.16 71.3,88 71.8,88.5 v1(72.96,88.5) 72.8,88.33 J4.19 ; v1(90.12,48.41) U22.10 ; J4.91 v1(78.8,82.03) ; v2(55.67,42.61) U1.J4 ; v2(39.49,74.23) U11.B9 ; U23.J8 v2(33.89,49.63) ; J4.107 v1(86.8,82.03) ; U23.G9 v2(35.49,48.83)
  TOP w0.381: v1(69.67,65.61) U1.AC27 U1.AC28 U1.AC29 U1.AC30 ; v1(69.67,65.61) U1.AC26 U1.AD26 ; v1(69.67,65.61) U1.AB26 ; U37.13 26.02,15.1 v1(26.02,15.1) ; C106.2 24.72,57.73 v1(24.44,58.01) ; v1(64.67,44.61) U1.U6 ; C176.2 v1(109.53,10.04) ; U3.C11 72.51,29.1 v2(72.51,29.11) ; C90.2 39.68,70.88 39.68,68.91 v2(39.49,68.73) ; U30.G1 35.09,42.93 v2(35.49,43.33) ; U35.E1 v2(52.04,30.78) ; v1(71.64,69.64) 71.64,69.58 U1.AD30 71.12,69.07 71.12,68.16 U1.AD29 ; U1.T15 v1(63.66,53.62) U1.U14 U1.V13 U1.W12 v1(66.67,50.61) U1.Y11 U1.AA10 U1.AB9 70.31,46.97 70.31,45.25 U1.AC6 ; U1.T15 U1.R14 U1.P13 U1.N12 U1.M11 U1.L10 U1.K9 ; U1.T15 U1.R16 U1.P17 U1.N18 U1.M19 U1.L20 57.67,59.61 U1.K21 U1.J22 55.66,61.62 v1(55.22,61.62) ; C119.2 36.29,46.7 v2(36.29,48.83) ; U30.B3 39.09,41.33 v2(39.49,41.73) ; C110.2 39.66,56.19 v2(39.49,56.03) ; R126.1 31.96,70.89 C88.2 30.74,68.78 v2(30.69,68.73) ; v2(27.49,56.03) 27.34,56.18 C107.2 ; v1(72.67,59.61) U1.AE21 U1.AE22 U1.AE23 U1.AE24 U1.AE25 v1(72.67,64.61) U1.AE26 v1(72.67,65.61) ; U30.M1 31.09,42.93 v2(30.69,43.33) 30.69,45.39 C125.2 31.73,45.44 R163.1 ; U1.A30 v2(48.67,69.61) ; v2(30.69,61.53) 30.74,61.48 C100.2 ; U1.N28 59.94,66.88 59.94,66.34 U1.N27 U1.M26 ; v1(81.12,74.05) 81.08,74.09 81.08,74.74 U12.2 ; v1(63.67,60.61) U1.U22 ; v1(63.67,60.61) U1.T21 U1.R22 v1(61.67,61.61) ; v1(63.67,60.61) U1.T22 ; R48.2 v1(108.23,139.34) ; U31.4 v1(20.68,36.4) ; U27.12 v1(82.08,39.01) ; v2(69.57,56.56) 69.17,56.16 U1.AB17 U1.AA16 ; U1.V15 U1.W14 v1(66.67,52.61) U1.Y13 U1.AA12 U1.AB11 ; U3.C1 v2(72.5,20.28) ; v2(37.89,43.33) U30.D1 ; v2(39.49,74.23) 39.66,74.06 C84.2 ; U31.5 v1(23.73,36.4) ; C57.2 v1(106.54,85.67) ; U37.24 v1(27.29,30.06) ; C163.2 71.78,14.75 v1(71.77,14.73) ; U3.L8 79.33,26.3 v2(79.72,25.91) U3.L7 ; v1(55.67,65.61) U1.J26 ; U3.F7 v2(74.9,25.91) ; U3.K12 v2(78.92,29.91) ; U1.Y9 v1(66.67,48.61) U1.W10 U1.V11 U1.U12 63.67,51.61 U1.T13 ; v2(48.67,40.61) U1.B2 ; U3.F9 v2(74.9,27.51) ; U35.F9 v2(51.24,23.58) ; U1.U30 v1(64.67,69.61) ; U1.P2 v1(60.67,40.61) ; v1(89.97,71.28) 89.72,71.03 89.72,69.88 90.04,69.57 U13.13 ; U38.3 v1(107.41,23.16) ; C98.2 v1(110.16,61) ; v1(106.48,99.7) 106.82,99.7 107.21,100.08 U6.3 ; v2(37.09,81.43) 37.22,81.56 C60.2 ; v2(37.09,56.03) 37.22,56.16 C109.2 ; v1(76.67,58.61) U1.AJ19 ; U35.E2 v2(52.04,29.98) ; U1.U27 U1.U26 ; U1.U26 U1.T26 U1.R26 ; U1.U26 U1.V26 ; v2(27.49,61.53) 27.34,61.38 C99.2 ; 27.89,42.93 v2(27.49,43.33) ; 27.89,42.93 27.34,43.48 C124.2 ; 27.89,42.93 U30.T1 ; U1.AF27 v1(72.67,65.61) ; v1(72.67,65.61) U1.AF26 ; v1(72.67,50.61) U1.AE12 ; C80.2 100.72,73.36 101.42,73.36 101.8,73.74 R122.1 101.9,73.9 102.6,73.9 v1(102.69,73.8) ; U1.U16 U1.V17 U1.W18 U1.Y19 U1.AA20 U1.AB21 v1(69.67,59.61) ; U3.G1 v2(76.52,20.28) ; v1(88.94,149.49) 86.1,149.49 85.7,149.89 C9.2 ; C130.1 v1(16.45,39.65) ; R162.1 v1(99.45,49.9) ; C61.2 39.66,81.59 v2(39.49,81.43) ; v1(69.67,51.61) U1.AB13 U1.AA14 ; U35.B1 v2(54.44,30.78) ; U1.J16 v1(55.67,55.61) 55.18,55.61 54.64,55.07 53.21,55.07 U1.F16 53.44,55.39 53.44,55.84 U1.F17 52.67,56.61 U1.E18 U1.D19 ; U1.J18 v1(55.67,57.61) ; U1.J18 U1.K17 ; U1.J18 55.17,58.11 U1.F19 U1.E20 ; v1(55.67,48.61) U1.J10 U1.K11 U1.L12 U1.M13 U1.N14 U1.P15 U1.N16 U1.M17 58.67,56.61 U1.L18 57.67,57.61 U1.K19 U1.J20 55.17,60.11 U1.F21 U1.E22 U1.D22 ; U87.7 16.81,2.94 v1(16.82,2.93) ; U35.D8 v2(52.84,24.38) ; v2(55.67,66.61) U1.J27 ; R56.2 16.61,120.81 v1(16.89,121.1) ; U1.R12 U1.P11 U1.N10 U1.M9 58.63,47.57 v1(58.63,47.26) ; v2(77.32,21.89) 77.31,21.89 U3.H3 ; U1.R30 62.12,69.06 62.12,68.17 U1.R29 62.17,68.08 v1(61.7,67.61) 61.7,67.58 U1.R28 U1.R27 U1.R26 ; U1.M15 v1(58.67,53.61) U1.L14 U1.K13 U1.J12 v1(55.67,50.61) ; v2(50.67,42.61) U1.D4 ; U3.E1 v2(74.1,20.28) ; U3.L11 v2(79.72,29.11) ; C120.2 39.66,48.66 v2(39.49,48.83) ; U1.AH29 U1.AJ30 U1.AK30 v1(77.67,68.61) ; C23.1 28.72,121.78 v1(28.78,121.72) ; v1(29.82,28.78) 29.89,28.71 C142.1 ; U3.H9 v2(77.32,27.51) ; v1(19.61,45.1) 19.53,45.02 U26.13 ; C122.2 v1(119.08,45.51) ; U3.F3 v2(74.9,21.88) ; U1.E26 U1.D27 ; U1.E26 U1.F25 ; U1.E26 U1.D25 U1.E24 U1.F23 ; U1.E26 U1.F27 v1(52.67,66.61) ; U30.D8 v2(37.89,36.93) ; v1(73.05,14.68) 73.07,14.7 C164.2 ; v1(24.66,31.04) 24.96,31.34 U34.3 ; v1(66.33,22.98) C145.1 C144.1 ; U1.F8 v2(52.67,46.61) ; U35.G9 v2(50.44,23.58) ; C82.2 30.69,72.09 30.69,74.22 v2(30.69,74.23) ; U1.W16 U1.Y17 U1.AA18 U1.AB19 v1(69.67,58.61) ; U1.R6 62.04,45.24 62.04,47.98 U1.R9 ; U3.B2 v2(71.71,21.1) ; v1(56.67,64.61) U1.K25 U1.L26 57.67,65.61 U1.L27 57.62,66.66 58.07,67.11 U1.L28 57.67,67.61 U1.L29 57.67,68.61 U1.L30 ; R150.2 v1(83.62,59.74) ; U1.J5 U1.K6 ; R151.1 31.94,58.3 30.8,58.3 C108.2 30.69,58.19 v2(30.69,56.03) ; R190.1 v1(61.7,34) ; U3.H10 v2(77.32,28.31) ; U1.F6 U1.E5 v2(51.67,43.61) ; C63.2 81.16,78.44 80.05,78.44 79.56,78.93 79.5,78.93 ; v1(76.67,46.61) U1.AJ8 ; U30.F9 v2(36.29,36.13) 36.29,34.05 C137.2 ; C151.1 v1(11.43,19.38) ; R136.1 v1(20.63,63.76) ; U1.R9 U1.T9 v1(63.67,47.61) ; U1.R9 v2(61.67,48.61) ; v1(23.83,42.6) 24.11,42.31 C129.1 ; C653.2 26.7,101.67 v3(27.57,100.8) ; U30.P9 v2(29.09,36.13) ; U1.R26 U1.P26 ; U44.8 v1(110.84,132.77) ; C126.2 37.09,45.32 v2(37.09,43.33) 36.69,42.93 U30.E1 ; v1(70.67,40.61) U1.AC2 ; v1(72.67,46.61) U1.AE8 ; v1(60.72,60.58) 60.71,60.58 U1.N22 ; U16.3 v1(101.11,61.34) ; v1(67.67,42.61) U1.Y4 ; v1(53.58,156.22) 53.56,156.2 D5.2 C6.1 54.34,153.53 C8.2 ; v2(71.71,20.27) 72.11,20.67 U3.B1 ; U3.A12 v2(70.9,29.91) ; D8.3 16.94,127.16 17.32,127.54 v1(18.19,127.54) 18.87,126.85 20.73,126.85 R51.1 ; C101.2 36.25,61.49 v2(36.29,61.53) ; v1(21.39,45.99) 21.72,46.32 U26.3 ; R59.1 28.62,117.56 29,117.18 v1(29.42,117.18) ; v1(74.5,14.33) C160.2 ; v1(66.67,61.61) U1.W22 U1.V21 U1.U20 U1.T19 ; U10.2 105.46,81.6 105.44,81.58 v1(105.44,81.61) ; v2(36.29,74.23) 36.29,72.07 C83.2 ; v1(96.01,47.47) 95.99,47.5 C115.2 ; C133.2 v1(79.23,36.34) ; R680.1 118.45,134.7 117.48,135.66 R681.2 116.77,135.66 v1(116.59,135.85) ; U3.F11 v2(74.9,29.11) ; U35.T9 v2(42.44,23.58) ; U1.E7 v2(51.67,45.61) ; U3.L9 v2(79.72,27.51) ; R214.1 45.5,22.09 45.5,23.44 v2(45.64,23.58) ; 79.46,21.64 U3.L2 79.31,21.47 v2(78.92,21.08) U3.K2 ; v2(27.49,36.13) 27.89,36.53 U30.T9 27.34,35.97 C135.2 ; C21.1 23.36,125.78 23.62,125.52 v1(25.85,125.52) ; C102.2 39.63,59.49 39.63,61.39 v2(39.49,61.53) ; v2(77.32,21.09) U3.H2 ; v2(50.67,44.61) U1.D6 ; U35.D1 v2(52.84,30.78) ; U3.D1 v2(73.3,20.28) ; 79.43,21.67 79.43,22.18 U3.L3 ; U5.3 109.41,105.53 109.4,105.54 v1(109.37,105.54) ; U3.C4 v2(72.5,22.68) ; U1.AJ29 U1.AH28 U1.AG27 v1(73.67,65.61) ; U30.E2 v2(37.09,42.53) ; U35.E8 v2(52.04,24.38) ; v1(109.73,9.17) 109.53,8.97 C182.2 ; U1.N6 v1(59.67,44.61) U1.M6 ; C127.2 39.66,43.49 v2(39.49,43.33) U30.B1 ; U1.N30 60.17,69.58 v1(60.69,70.1) ; v2(37.09,62.33) U15.E8 ; U3.H1 v2(77.32,20.28) ; U3.H7 v2(77.32,25.91) ; v2(57.54,105.92) 57.64,105.81 R70.1 ; U33.3 21.78,31.46 v1(22.05,31.19) ; v2(27.49,48.83) 27.34,48.67 C117.2 ; U37.12 v1(14.65,15.1) ; U35.P9 v2(44.04,23.58) ; U35.J8 v2(48.04,24.39) ; C153.2 36.12,17.45 36.3,17.27 36.88,17.27 v1(37.14,17.02) ; v2(27.49,68.73) 27.34,68.88 C87.2 C81.2 v1(26.17,72.04) ; U35.B9 v2(54.44,23.58) ; v1(12.42,18.34) 12.42,18.04 13.16,17.3 U37.10 ; U3.J1 v2(78.12,20.28) ; U3.J2 v2(78.12,21.08) ; U30.P1 29.49,42.93 v2(29.09,43.33) ; v1(74.67,61.61) U1.AG22 ; v2(51.67,54.61) U1.D16 U1.E15 ; v1(95.91,58.8) 95.76,58.95 C104.2 ; Y2.2 79.04,77.86 78.72,78.18 C62.2 78.74,78.72 79.28,78.72 79.5,78.93 ; U1.H25 54.64,64.65 v2(54.64,64.67) ; U30.A9 v2(40.29,36.13) ; v1(15.12,7.79) 15.62,7.28 U87.1 U87.2 ; U1.U10 U1.V9 66.17,47.11 U1.W6 v1(66.67,44.61) ; v1(55.67,52.61) U1.J14 U1.K15 ; 79.5,78.93 v1(79.46,78.93) ; U1.AA29 68.07,68.02 68.07,67.21 U1.AA28 67.96,66.91 67.95,66.91 67.95,66.33 U1.AA27 v1(67.67,65.61) ; v1(69.67,53.61) U1.AB15 ; U32.3 v1(19.51,32.06) ; R719.2 117.94,33.04 117.11,32.21 v1(115.57,32.21) ; v1(72.67,48.61) U1.AE10 ; v1(74.67,51.61) U1.AG13 ; v1(64.67,41.61) U1.U3 ; R200.1 31.15,33.08 30.74,33.48 C136.2 30.69,34.06 v2(30.69,36.13) ; C91.2 100.8,70.11 101.36,70.68 Y3.2 101.94,69.94 101.8,69.8 R128.1 v1(102.49,69.12) ; C112.2 v1(117.55,51.35) ; v1(55.65,53.57) 56.17,54.08 U1.J15 ; v2(70.9,24.28) U3.A6 ; U3.A4 v2(70.9,22.68) ; Y3.4 v1(103.29,73.28) ; v2(30.69,48.83) 30.69,46.71 C118.2 ; v1(85.14,33.02) 85.14,33.76 C134.2 v1(86.13,34.01) ; U3.L10 v2(79.72,28.31) ; U1.A1 v2(47.66,39.58) ; v1(64.67,68.61) U1.U29 ; v1(95.5,68.54) 95.01,69.02 95.01,70.61 95.92,71.52 U13.7 ; U3.L12 v2(79.72,29.91) ; R130.1 v1(102.49,68.1) ; U3.G10 v2(76.52,28.31) ; U3.F1 v2(74.9,20.28) ; U1.R18 U1.P19 U1.N20 U1.M21 U1.L22 v2(57.67,61.61) ; U3.C10 v2(72.5,28.31) ; U35.T1 v2(42.44,30.78) ; v1(67.67,65.61) U1.Y26 67.14,65.11 66.67,65.59 66.67,65.61 U1.W27 66.04,66.24 66.04,66.98 U1.W28 66.17,67.3 66.1,67.38 66.1,67.85 66.17,67.92 U1.W29 U1.W30 ; v1(67.67,65.61) U1.AA26 ; C165.2 31.2,15.29 v1(31.19,15.29) ; C114.2 90.3,48.23 v1(90.12,48.41) ; U35.G1 v2(50.44,30.78) ; R679.2 v1(119.81,147.32) ; U3.C9 v2(72.5,27.51) ; U1.P9 v2(61.67,48.61) ; v2(61.67,48.61) U1.R10 ; U1.D13 v2(51.67,51.61) U1.E13 52.67,52.61 U1.F14 ; C103.2 87.15,58.85 v1(87.15,58.32) ; v2(27.49,81.43) 27.49,83.52 C58.2 ; v2(50.67,47.61) U1.D9 ; U30.G8 v2(35.49,36.93) ; C152.2 v1(110.56,17.85) ; v2(77.44,73.63) 77.5,73.58 77.63,73.58 78.09,73.58 C79.2 78.19,74.16 77.69,74.66 Y2.4 ; U17.3 v1(107.43,61.34) ; U35.G8 v2(50.44,24.38) ; U30.J2 v2(33.89,42.53) ; v1(16.21,45.31) C123.1 16.21,45.99 16.21,47.26 C116.1 ; v2(37.89,62.33) U15.D8 ; v1(52.67,50.61) U1.F12 ; C180.2 v1(13.18,9.1) ; U1.F4 U1.G5 U1.H6 55.76,45.71 55.83,45.71 56.56,46.43 v1(56.99,46.43) ; v1(72.67,58.61) U1.AE19 ; U35.J2 v2(48.84,29.99) ; U18.3 v1(99.3,62.64) ; R159.1 110.44,51.35 v1(110.35,51.27) 110.34,51.26 U24.5 ; U35.P1 v2(44.04,30.78) ; C138.2 39.66,35.96 U30.B9 v2(39.49,36.13) ; v1(69.67,55.61) U1.AB16 ; U1.AK25 v1(76.67,64.61) ; C148.1 v1(12.99,22.08) ; U19.4 v1(90.21,62.84) ; v1(24.59,63.73) R138.1 C94.1 ; U3.D12 v2(73.3,29.91) ; U1.T17 U1.U18 U1.V19 U1.W20 U1.Y21 U1.AA22 68.8,61.75 69.43,61.75 69.46,61.72 70.44,61.72 v1(70.6,61.57) ; v2(37.09,68.73) 37.22,68.86 C89.2 ; v1(72.67,52.61) U1.AE14 ; v2(30.69,81.43) 30.74,81.48 C59.2 ; U15.J8 v2(33.89,62.33) ; v1(51.67,49.61) U1.E11 ; U3.C8 v2(72.5,26.71) ; v2(51.67,47.61) U1.E9 ; C128.2 v1(115.69,44.65) ; v1(68.67,44.61) U1.AA6 ; U15.G8 v2(35.49,62.33) ; v1(65.48,30.33) 65.48,29.41 65.94,28.96 C141.2 ; R197.1 v1(71.99,34) ; U3.C7 v2(72.5,25.91) ; U25.2 v1(115.88,47.77) ; U35.A9 v2(55.24,23.58) ; v2(49.67,41.61) U1.C3 ; U3.H6 v2(77.32,24.28) ; U3.A5 v2(70.9,23.48) ; U30.G9 v2(35.49,36.13) ; U3.C2 v2(72.5,21.09) ; U3.G12 v2(76.52,29.91) ; U35.M1 v2(45.64,30.78) ; R164.1 v1(109.39,43.36) ; v2(52.67,48.61) U1.F10 ; U3.C12 v2(72.5,29.91) ; U3.B12 v2(71.7,29.91)